# Altium PCB MainBoard.PcbDoc (part 1 of 2) (continued)
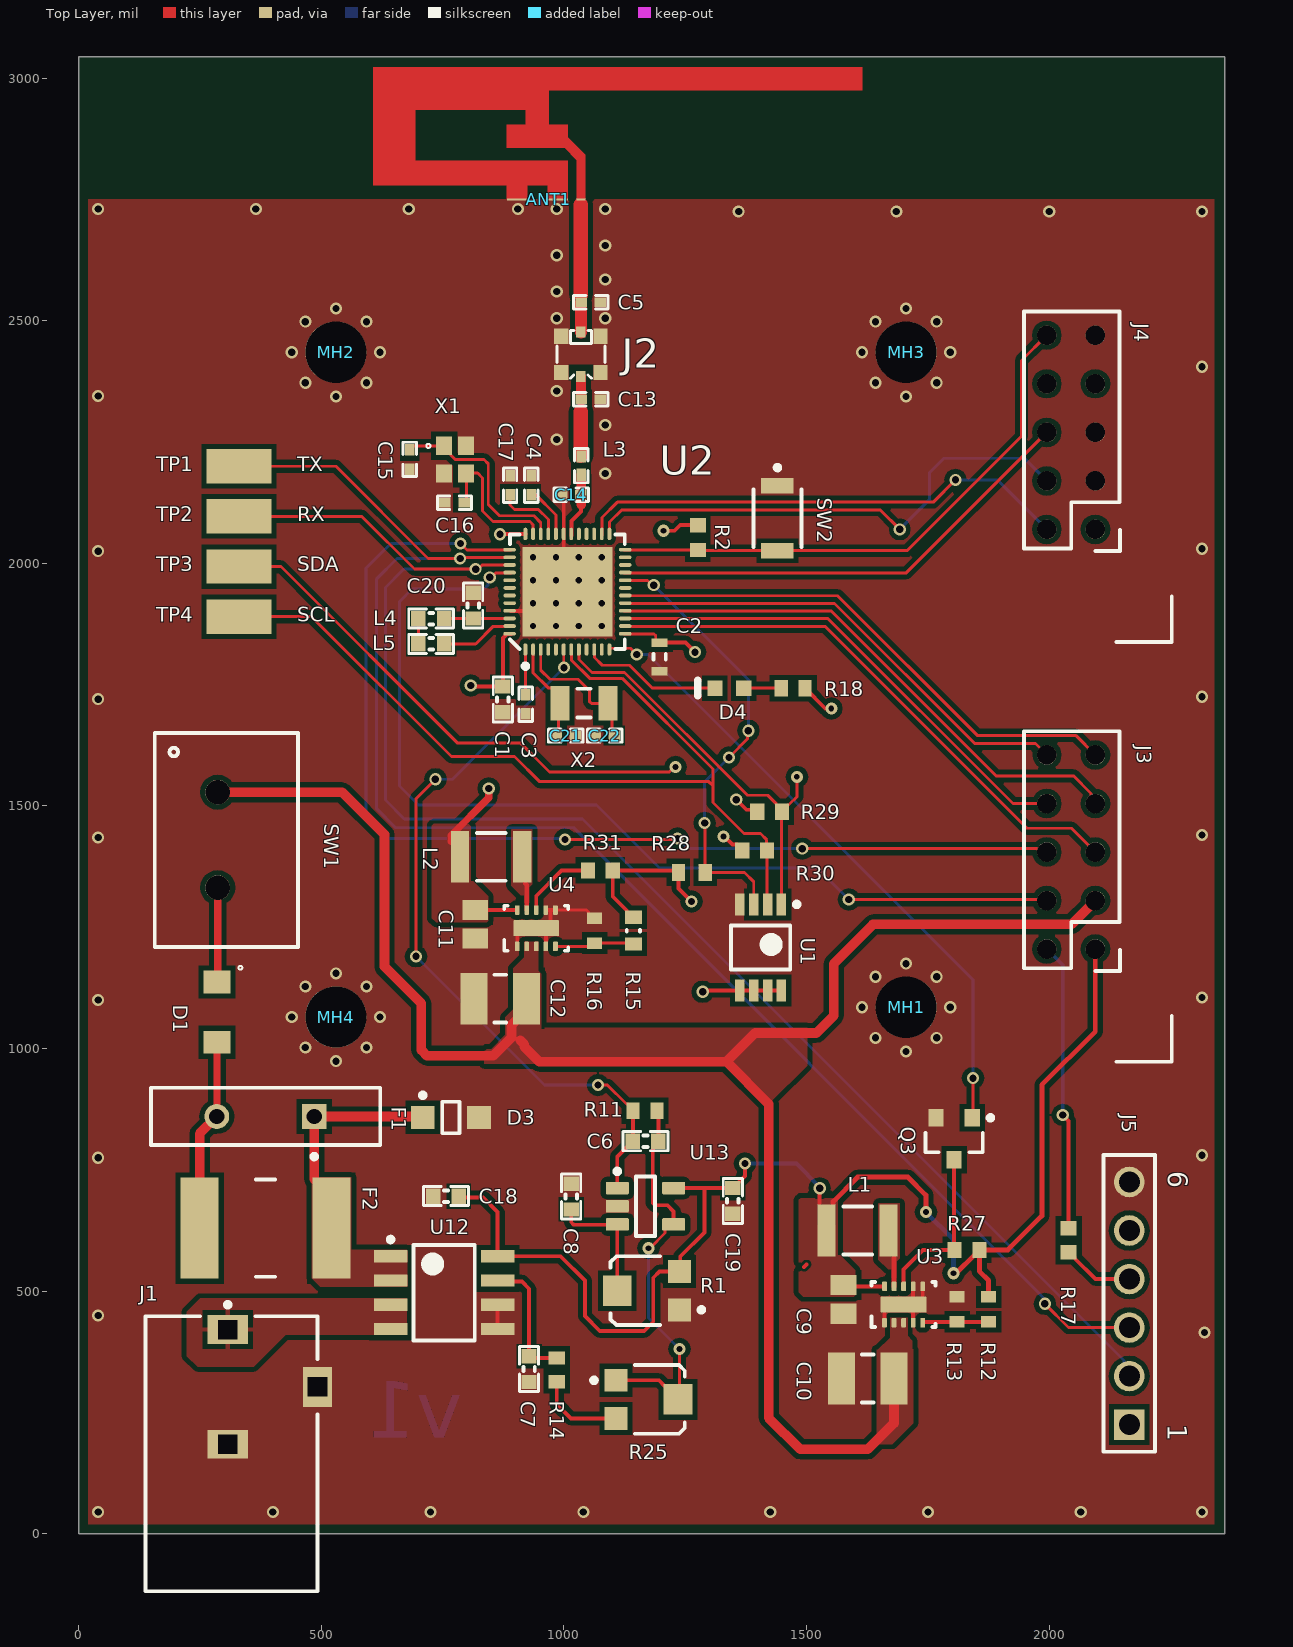
[diagram p0: Top Layer view]
## Design rules (kind name [scope] priority, off if disabled: settings) (continued)
PolygonConnect PolygonConnect_14 [All vs IsNamedPolygon('Top Layer-5V')] p14: thpad.connectstyle=Direct thpad.reliefconductorwidth=10 thpad.reliefentries=4 thpad.polygonreliefangle="90 Angle" thpad.airgapwidth=10 smdpad.connectstyle=Direct smdpad.reliefconductorwidth=10 smdpad.reliefentries=4 smdpad.polygonreliefangle="90 Angle" smdpad.airgapwidth=10 via.connectstyle=Relief via.reliefconductorwidth=10 via.reliefentries=4 via.polygonreliefangle="90 Angle" via.airgapwidth=10
PolygonConnect PolygonConnect_13 [All vs IsNamedPolygon('Top Layer-5V')] p15: thpad.connectstyle=Direct thpad.reliefconductorwidth=10 thpad.reliefentries=4 thpad.polygonreliefangle="90 Angle" thpad.airgapwidth=10 smdpad.connectstyle=Direct smdpad.reliefconductorwidth=10 smdpad.reliefentries=4 smdpad.polygonreliefangle="90 Angle" smdpad.airgapwidth=10 via.connectstyle=Relief via.reliefconductorwidth=10 via.reliefentries=4 via.polygonreliefangle="90 Angle" via.airgapwidth=10
PolygonConnect PolygonConnect_12 [All vs IsNamedPolygon('IND_5V')] p16: thpad.connectstyle=Direct thpad.reliefconductorwidth=10 thpad.reliefentries=4 thpad.polygonreliefangle="90 Angle" thpad.airgapwidth=10 smdpad.connectstyle=Direct smdpad.reliefconductorwidth=10 smdpad.reliefentries=4 smdpad.polygonreliefangle="90 Angle" smdpad.airgapwidth=10 via.connectstyle=Relief via.reliefconductorwidth=10 via.reliefentries=4 via.polygonreliefangle="90 Angle" via.airgapwidth=10
PolygonConnect PolygonConnect_11 [All vs IsNamedPolygon('IND_3v3')] p17: thpad.connectstyle=Direct thpad.reliefconductorwidth=10 thpad.reliefentries=4 thpad.polygonreliefangle="90 Angle" thpad.airgapwidth=10 smdpad.connectstyle=Direct smdpad.reliefconductorwidth=10 smdpad.reliefentries=4 smdpad.polygonreliefangle="90 Angle" smdpad.airgapwidth=10 via.connectstyle=Relief via.reliefconductorwidth=10 via.reliefentries=4 via.polygonreliefangle="90 Angle" via.airgapwidth=10
PolygonConnect PolygonConnect_10 [All vs IsNamedPolygon('IP-')] p18: thpad.connectstyle=Relief thpad.reliefconductorwidth=10 thpad.reliefentries=4 thpad.polygonreliefangle="90 Angle" thpad.airgapwidth=10 smdpad.connectstyle=Direct smdpad.reliefconductorwidth=10 smdpad.reliefentries=4 smdpad.polygonreliefangle="90 Angle" smdpad.airgapwidth=10 via.connectstyle=Relief via.reliefconductorwidth=10 via.reliefentries=4 via.polygonreliefangle="90 Angle" via.airgapwidth=10
PolygonConnect PolygonConnect_9 [All vs IsNamedPolygon('IP+')] p19: thpad.connectstyle=Direct thpad.reliefconductorwidth=10 thpad.reliefentries=4 thpad.polygonreliefangle="90 Angle" thpad.airgapwidth=10 smdpad.connectstyle=Direct smdpad.reliefconductorwidth=10 smdpad.reliefentries=4 smdpad.polygonreliefangle="90 Angle" smdpad.airgapwidth=10 via.connectstyle=Relief via.reliefconductorwidth=10 via.reliefentries=4 via.polygonreliefangle="90 Angle" via.airgapwidth=10
PolygonConnect PolygonConnect_8 [All vs IsNamedPolygon('Top Layer-VIN 2')] p20: thpad.connectstyle=Direct thpad.reliefconductorwidth=10 thpad.reliefentries=4 thpad.polygonreliefangle="90 Angle" thpad.airgapwidth=10 smdpad.connectstyle=Direct smdpad.reliefconductorwidth=10 smdpad.reliefentries=4 smdpad.polygonreliefangle="90 Angle" smdpad.airgapwidth=10 via.connectstyle=Relief via.reliefconductorwidth=10 via.reliefentries=4 via.polygonreliefangle="90 Angle" via.airgapwidth=10
PolygonConnect PolygonConnect_7 [All vs IsNamedPolygon('Top Layer-VIN 1')] p21: thpad.connectstyle=Direct thpad.reliefconductorwidth=10 thpad.reliefentries=4 thpad.polygonreliefangle="90 Angle" thpad.airgapwidth=10 smdpad.connectstyle=Direct smdpad.reliefconductorwidth=10 smdpad.reliefentries=4 smdpad.polygonreliefangle="90 Angle" smdpad.airgapwidth=10 via.connectstyle=Relief via.reliefconductorwidth=10 via.reliefentries=4 via.polygonreliefangle="90 Angle" via.airgapwidth=10
PolygonConnect PolygonConnect_6 [All vs IsNamedPolygon('IND_5V')] p22: thpad.connectstyle=Direct thpad.reliefconductorwidth=10 thpad.reliefentries=4 thpad.polygonreliefangle="90 Angle" thpad.airgapwidth=10 smdpad.connectstyle=Direct smdpad.reliefconductorwidth=10 smdpad.reliefentries=4 smdpad.polygonreliefangle="90 Angle" smdpad.airgapwidth=10 via.connectstyle=Relief via.reliefconductorwidth=10 via.reliefentries=4 via.polygonreliefangle="90 Angle" via.airgapwidth=10
PolygonConnect PolygonConnect_5 [All vs IsNamedPolygon('IND_5V')] p23: thpad.connectstyle=Direct thpad.reliefconductorwidth=10 thpad.reliefentries=4 thpad.polygonreliefangle="90 Angle" thpad.airgapwidth=10 smdpad.connectstyle=Direct smdpad.reliefconductorwidth=10 smdpad.reliefentries=4 smdpad.polygonreliefangle="90 Angle" smdpad.airgapwidth=10 via.connectstyle=Relief via.reliefconductorwidth=10 via.reliefentries=4 via.polygonreliefangle="90 Angle" via.airgapwidth=10
PolygonConnect PolygonConnect_4 [All vs IsNamedPolygon('Top Layer-3V3')] p24: thpad.connectstyle=Direct thpad.reliefconductorwidth=10 thpad.reliefentries=4 thpad.polygonreliefangle="90 Angle" thpad.airgapwidth=10 smdpad.connectstyle=Direct smdpad.reliefconductorwidth=10 smdpad.reliefentries=4 smdpad.polygonreliefangle="90 Angle" smdpad.airgapwidth=10 via.connectstyle=Relief via.reliefconductorwidth=10 via.reliefentries=4 via.polygonreliefangle="90 Angle" via.airgapwidth=10
PolygonConnect PolygonConnect_3 [All vs IsNamedPolygon('Top Layer-3V3')] p25: thpad.connectstyle=Direct thpad.reliefconductorwidth=10 thpad.reliefentries=4 thpad.polygonreliefangle="90 Angle" thpad.airgapwidth=10 smdpad.connectstyle=Direct smdpad.reliefconductorwidth=10 smdpad.reliefentries=4 smdpad.polygonreliefangle="90 Angle" smdpad.airgapwidth=10 via.connectstyle=Relief via.reliefconductorwidth=10 via.reliefentries=4 via.polygonreliefangle="90 Angle" via.airgapwidth=10
PolygonConnect PolygonConnect_2 [All vs IsNamedPolygon('Top Layer-VIN')] p26: thpad.connectstyle=Direct thpad.reliefconductorwidth=10 thpad.reliefentries=4 thpad.polygonreliefangle="90 Angle" thpad.airgapwidth=10 smdpad.connectstyle=Direct smdpad.reliefconductorwidth=10 smdpad.reliefentries=4 smdpad.polygonreliefangle="90 Angle" smdpad.airgapwidth=10 via.connectstyle=Relief via.reliefconductorwidth=10 via.reliefentries=4 via.polygonreliefangle="90 Angle" via.airgapwidth=10
PolygonConnect PolygonConnect_1 [All vs IsNamedPolygon('Top Layer-VIN')] p27: thpad.connectstyle=Direct thpad.reliefconductorwidth=10 thpad.reliefentries=4 thpad.polygonreliefangle="90 Angle" thpad.airgapwidth=10 smdpad.connectstyle=Direct smdpad.reliefconductorwidth=10 smdpad.reliefentries=4 smdpad.polygonreliefangle="90 Angle" smdpad.airgapwidth=10 via.connectstyle=Relief via.reliefconductorwidth=10 via.reliefentries=4 via.polygonreliefangle="90 Angle" via.airgapwidth=10
PolygonConnect [All] p28: connectstyle=Relief reliefconductorwidth=10 reliefentries=4 polygonreliefangle="90 Angle" airgapwidth=10
RoutingVias [All] p1: holewidth=11.81 width=25 viastyle="Through Hole" minholewidth=11.81 minwidth=17.72 maxholewidth=28 maxwidth=50
ShortCircuit ShortCircuit_Antenna [InComponent('ANT1') or InNet('ANT') vs InNet('GND')] p1: allowed=TRUE
ShortCircuit [All] p2: allowed=FALSE
SilkToSolderMaskClearance [IsPad] p1: minsilkscreentomaskgap=0 clearancetoexposedcopper=TRUE
SolderMaskExpansion [All] p1: expansion=4
Width [All] p1: maxlimit=50 minlimit=6 preferedwidth=8 minimp=50.000000 maximp=50.000000 favimp=50.000000
25 further rules are at their usual default settings.

## Classes and differential pairs
component class MCU: ANT1 C1 C2 C3 C4 C5 C13 C14 C15 C16 C17 C20 C21 C22 D4 J2 J3 J4 J5 L3 L4 L5 R2 R17 R18 R28 R29 R30 SW2 TP2 TP3 TP4 U1 U2 X1 X2

## Components (designator, comment, footprint, x,y, rotation, side; value= is the part's Value field where it differs from the comment)
ANT1 "Inverted F Antenna" PIFA 598,2775 r0 top
C1 "4.7µF" CAPC1608X06L 874,1719.43 r90 top
C2 "100nF" CAPC1608X90X20LL10 1197,1807 r90 top
C3 "0.1uF" CAPC1005X04L 921,1709.32 r270 top
C4 "100pF" CAPC1005X04L 932.35,2161.04 r90 top
C5 "1.2pF" CAPC1005X04L 1055.14,2537.96 r180 top
C6 "100pF" CAPC1608X06L 1168,809 r180 top
C7 "1nF" CAPC1608X06L 928.15,339.57 r90 top
C8 "0.1uF" CAPC1608X06L 1015,695 r270 top
C9 "GRM21BR61A226ME51L" CAPC2013X140X45LL15T25 1576,483 r90 top
C10 "CAP 2.2uF 50V 1210(3225)" CAPC1210(3225)220_N 1625.87,320 r0 top value=2.2uF
C11 "GRM21BR61A226ME51L" CAPC2013X140X45LL15T25 817,1256 r90 top
C12 "CAP 2.2uF 50V 1210(3225)" CAPC1210(3225)220_N 868.87,1103 r0 top value=2.2uF
C13 "10pF" CAPC1005X04L 1055,2338 r180 top
C14 "0.8pF" CAPC1005X04L 1014.96,2141.24 r0 top
C15 "10pF" CAPC1005X04L 682,2214 r270 top
C16 "10pF" CAPC1005X04L 774.39,2125 r180 top
C17 "100pF" CAPC1005X04L 889,2161 r90 top
C18 "0.1uF" CAPC1608X06L 756.89,695.87 r0 top
C19 "0.1uF" CAPC1608X06L 1348,686 r90 top
C20 "1uF" CAPC1608X06L 813,1913 r90 top
C21 "10pF" CAPC1005X04L 1003.86,1645 r180 top
C22 "10pF" CAPC1005X04L 1083.86,1645 r0 top
D1 "1N5819HW-7-F" SOD123 285,1075 r270 top
D3 "TVS 23.2V @ 17.2A (10/1000)" ONSC-SOD-123FL-2-498_V 767,858 r0 top
D4 "LTST-C191KGKT" LITE-ON-LTST-C191KRKT-2_V 1340.69,1742.69 r180 top
F1 "60V 1.1A" BOUR-MF-R185 385,860 r180 top
F2 "60V 1.1A" "PTC 2920" 385,630 r180 top
J1 "PJ-102A" CUI-PJ-102A_V 315,165 r180 top
J2 "MM8130-2600RB8" COAXIAL-SWF 1035,2430.61 r180 top
J3 "302-S101" "10pin Header TH" 2095,1205 r90 top
J4 "10pin dual row 2.54\" Shrouded" "10pin Header TH" 2095,2070 r90 top
J5 "61300611121" 61300611121 2165,475 r90 top
L1 "CBC3225T100MR" MURA-1210_H_2.7_N 1605,625 r180 top
L2 "CBC3225T100MR" MURA-1210_H_2.7_N 850,1395 r180 top
L3 "3.9nH" INDC1005X04L 1035.35,2201.4 r90 top
L4 "15nH" INDC1608X06L 726.43,1886 r180 top
L5 "10µH" INDC1608X06L 726.43,1834 r0 top
MH1 "MH" MOUNTING 1705,1085 r0 top
MH2 "MH" MOUNTING 530,2435 r0 top
MH3 "MH" MOUNTING 1705,2435 r0 top
MH4 "MH" MOUNTING 530,1065 r0 top
Q3 "2N7002K-7" SOT95P245X110-3N 1804,814 r270 top
R1 "TC33X-2-103E" BOUR-TC33X-2_V 1167,501 r180 top
R2 "ERJ3EKF1002V" RESC1609X55X30LL15T15 1276,2053 r90 top
R11 "ERJ3EKF2202V" RESC1608X55X30LL15T15 1167,872 r180 top
R12 "RC0603FR-07787KL" RESC1608X55X25LL10T15 1875,462.44 r90 top
R13 "RC0603FR-07150KL" RESC1608X55X25LL10T15 1810,462.44 r270 top
R14 "ERJ-3GEYJ102V" RESC1608X55X30LL15T15 985.24,337.6 r270 top
R15 "464K" RESC0603(1608)_L 1143,1243 r90 top value="464000.00 Ohm"
R16 "RC0603FR-07147KL" RESC1608X55X25LL10T15 1063,1243 r270 top
R17 "CRCW06030000Z0EA" RESC1609X55X30LL10T20 2040,605 r90 top value=0R
R18 "ERJ-3GEYJ221V" RESC1608X55X30LL15T15 1472.15,1742.69 r0 top value=220R
R25 "TC33X-2-103E" BOUR-TC33X-2_V 1178,277 r0 top
R27 "ERJ3EKF1002V" RESC1609X55X30LL15T15 1830.59,585 r0 top
R28 "RC0603FR-07100KL" RESC1608X55X25NL10T15 1263.47,1363 r180 top
R29 "ERJ3EKF1002V" RESC1609X55X30LL15T15 1423.59,1488 r180 top
R30 "ERJ3EKF1002V" RESC1609X55X30LL15T15 1393,1408 r180 top
R31 "ERJ3EKF1002V" RESC1609X55X30LL15T15 1075,1367 r0 top
SW1 "M2011SA1W01" "2pin Screw Terminal" 286.5,1528.35 r270 top
SW2 "B3U-1000P" OMRON-B3U-1000_V 1440,2093 r270 top
TP1 "Testpoint" "KEYSTONE 5015" 330,2200 r180 top
TP2 "Testpoint" "KEYSTONE 5015" 330,2096.67 r180 top
TP3 "Testpoint" "KEYSTONE 5015" 330,1993.33 r180 top
TP4 "Testpoint" "KEYSTONE 5015" 330,1890 r180 top
U1 "LM75BDP" TSOP72P490X110-8N 1405.32,1208.47 r270 top
U2 "NRF52832-QFAA-R" PCBComponent_1 1011.3,1941.02 r90 top
U3 "TPS62175" ? 1700,472.4 r90 top
U4 "TPS62175" DQC0010A 943,1248 r90 top
U12 "ACS723" SOIC127P600X175-8N 753,497 r0 top
U13 "OPA344" DBV0005A_M 1168,675 r0 top
X1 "32MHz" *OSCCC200X160X50N 752.95,2242.13 r0 top
X2 "ABS07-120-32.768KHZ-T" ABRA-ABS07_A_V 1041.21,1712 r0 top

## Footprints (in the part's own frame and the unit in brackets; to place one, negate y for a bottom-side part, rotate by r counter-clockwise, add the part's x,y. Pads: shape width x height; smd on the part's side, far side on the other; paste and mask are expansions set on the pad)
"2pin Screw Terminal" [mm]
  round 1.3 hole 1.3: 1(0,0) 2(5,0)
  silkscreen extent -3.1,-3.3 8.1,4.2, body extent -2.95,-2.6 7.55,5, height 10.01
"10pin Header TH" [mm]
  round 1.02 hole 1.02: 1(0,0) 2(0,2.54) 3(2.54,0) 4(2.54,2.54) 5(5.08,0) 6(5.08,2.54) 7(7.62,0) 8(7.62,2.54) 9(10.16,0) 10(10.16,2.54)
  silkscreen extent -5.9,-4 11.4,3.74, body extent -5.06,-3.25 15.26,5.85, height 9.01
61300611121 [mm] "Pin Header, pitch 2.54 mm, THT, Vertical, single row, 6p"
  rect 1.6x1.6 hole 1.1: 1(-6.35,0)
  round 1.6 hole 1.1: 2(-3.81,0) 3(-1.27,0) 4(1.27,0) 5(3.81,0) 6(6.35,0)
  silkscreen extent -7.77,-1.35 7.77,1.35, body extent -7.62,-1.27 7.62,1.27, height 8.57
*OSCCC200X160X50N [mm]
  rect 0.85x0.95 smd: 1(0,0) 2(0,-1.45) 3(1.15,-1.45) 4(1.15,0)
  silkscreen extent -0.93,-0.11 -0.71,0.11
ABRA-ABS07_A_V [mm] "SMD, 2-Leads, Body 3.2x1.5mm"
  rect 1x1.8 smd: 1(-1.25,0) 2(1.25,0)
  silkscreen extent -0.35,-0.75 0.35,0.75, body extent -1.6,-0.75 1.6,0.75, height 0.9
BOUR-MF-R185 [mm] "THD, 2-Leads, Body 12x3mm"
  rect 1.3x1.3 hole 0.8: 1(-2.55,0)
  round 1.3 hole 0.8: 2(2.55,0)
  silkscreen extent -6,-1.5 6,2.22, body extent -6,-1.48 6,1.52, height 18.4
BOUR-TC33X-2_V [mm] "SMD, 3-Leads, Body 3.8x3.6mm"
  rect 1.2x1.2 smd: 1(-1.8,1) 3(-1.8,-1)
  rect 1.5x1.6 smd: 2(1.45,0)
  silkscreen extent -3.08,-1.8 1.8,1.8, body extent -2,-1.8 1.96,1.8, height 1.15
CAPC1005X04L [mm]
  rect 0.6x0.5 smd: 1(-0.5,0) 2(0.5,0)
  silkscreen extent -0.9,-0.35 0.9,0.35, body extent -0.51,-0.25 0.51,0.25, height 0.5
CAPC1210(3225)220_N [mm] "Chip Capacitor, Body 3.2x2.5mm, Height 2.2mm, IPC Medium Density"
  rect 1.4x2.7 smd: 1(-1.375,0) 2(1.375,0)
  silkscreen extent -0.3,-1.25 0.3,1.25, body extent -1.7,-1.35 1.7,1.35, height 2.2
CAPC1608X06L [mm]
  rect 0.75x0.8 smd: 1(-0.675,0) 2(0.675,0)
  silkscreen extent -1.17,-0.5 1.17,0.5, body extent -0.8,-0.43 0.8,0.43, height 0.8
CAPC1608X90X20LL10 [mm] "Chip Capacitor, 2-Leads, Body 1.70x0.90mm, IPC High Density"
  rect 0.45x0.85 smd: 1(-0.75,0) 2(0.75,0)
  silkscreen extent -0.15,-0.33 0.15,0.33, body extent -0.85,-0.45 0.85,0.45, height 0.9
CAPC2013X140X45LL15T25 [mm] "Chip Capacitor, 2-Leads, Body 2.00x1.25mm, IPC High Density"
  rect 1.05x1.35 smd: 1(-0.75,0) 2(0.75,0)
  body extent -1.08,-0.7 1.07,0.7, height 1.4
COAXIAL-SWF [mm]
  rect 0.5x0.58 smd: 1(0,1.16) 3(0,-1.16)
  rect 0.75x0.8 smd: 2(-1.025,0.95) 2(-1.025,-0.95) 2(1.025,0.95) 2(1.025,-0.95)
  Top Layer pour cut-out: 0.65,-0.55 -0.65,-0.55 -0.65,-1.35 0.65,-1.35
  Top Layer pour cut-out: -0.65,0.55 0.65,0.55 0.65,1.35 -0.65,1.35
  silkscreen extent -1.25,-1.25 1.25,1.25
CUI-PJ-102A_V [mm] "THD, 3-Leads, Body 14.4x9mm, Pitch 3mm"
  rect 2.1x1.5 hole 1 square: 1(0.2,-6.5) 2(0.2,-0.5)
  rect 1.5x2.1 hole 1 square: 3(-4.5,-3.5)
  silkscreen extent -4.5,-7.92 4.5,7.2, body extent -4.7,-7.2 4.7,7.2, height 11.5
DBV0005A_M [mm] "SOT23, 5-Leads, Body 3.05x1.75mm, Pitch 0.95mm, IPC Low Density"
  rrect15% 1.2x0.65 smd: 1(-1.475,0.95) 2(-1.475,0) 3(-1.475,-0.95) 4(1.475,-0.95) 5(1.475,0.95)
  silkscreen extent -1.6,-1.55 0.5,1.95, body extent -1.42,-1.46 1.42,1.46, height 1.08
DQC0010A [mm] "SON, 10-Leads, Body 2x3mm, Pitch 0.5mm, Thermal Pad 2.4x0.84mm"
  rrect40% 0.5x0.25 smd mask+0.051: 1(-0.95,1) 2(-0.95,0.5) 3(-0.95,0) 4(-0.95,-0.5) 5(-0.95,-1) 6(0.95,-1) 7(0.95,-0.5) 8(0.95,0) 9(0.95,0.5) 10(0.95,1)
  rrect12% 0.84x2.4 smd paste-0.42 mask+0.051: 1(0,0)
  silkscreen extent -1.17,-1.68 1.17,1.67, body extent -1.05,-1.55 1.05,1.55, height 0.81
INDC1005X04L [mm]
  rect 0.65x0.5 smd: 1(-0.475,0) 2(0.475,0)
  silkscreen extent -0.9,-0.35 0.9,0.35, body extent -0.5,-0.3 0.5,0.3, height 0.5
INDC1608X06L [mm]
  rect 0.75x0.8 smd: 1(-0.675,0) 2(0.675,0)
  silkscreen extent -1.17,-0.5 1.17,0.5, body extent -0.8,-0.48 0.8,0.48, height 0.8
"KEYSTONE 5015" [mm]
  rect 3.4x1.8 smd: 1(0,0)
  body extent -1.31,-0.43 1.36,0.59, height 1.52
LITE-ON-LTST-C191KRKT-2_V [mm] "Chip, 2-Leads, Body 1.6x0.8mm"
  rect 0.8x0.8 smd: 1(-0.75,0) 2(0.75,0)
  silkscreen extent 1.65,-0.4 1.65,0.4, body extent -0.8,-0.4 0.8,0.4, height 0.55
MOUNTING [mm]
  round 3.2 hole 3.2 mask+1.4: 1(0,0)
MURA-1210_H_2.7_N [mm] "Chip Capacitor, 2-Leads, Body 3.5x2.7mm, IPC Medium Density"
  rect 0.95x2.7 smd: 1(-1.625,0) 2(1.625,0)
  silkscreen extent -0.75,-1.25 0.75,1.25, body extent -1.75,-1.35 1.75,1.35, height 2.7
OMRON-B3U-1000_V [mm] "SMD, 2-Leads, Body 3x2.5mm"
  rect 0.8x1.7 smd: 1(-1.7,0) 2(1.7,0)
  silkscreen extent -2.77,-1.25 1.5,1.25, body extent -1.5,-1.25 1.5,1.25, height 1.75
ONSC-SOD-123FL-2-498_V [mm] "SOD, 2-Leads, Body 2.7x1.65mm"
  rect 1.25x1.22 smd: 1(-1.475,0) 2(1.475,0)
  silkscreen extent -1.6,-0.82 0.45,1.28, body extent -1.35,-0.82 1.35,0.82, height 0.98
PCBComponent_1 [mm]
  oval 0.65x0.2 smd: 1(-3.013,2.306) 2(-3.013,1.906) 3(-3.013,1.506) 4(-3.013,1.106) 5(-3.013,0.706) 6(-3.013,0.306) 7(-3.013,-0.094) 8(-3.013,-0.494) 9(-3.013,-0.894) 10(-3.013,-1.294) 11(-3.013,-1.694) 12(-3.013,-2.094) 25(3.037,-2.094) 26(3.037,-1.694) 27(3.037,-1.294) 28(3.037,-0.894) 29(3.037,-0.494) 30(3.037,-0.094) 31(3.037,0.306) 32(3.037,0.706) 33(3.037,1.106) 34(3.037,1.506) 35(3.037,1.906) 36(3.037,2.306)
  oval 0.2x0.65 smd: 13(-2.188,-2.919) 14(-1.788,-2.919) 15(-1.388,-2.919) 16(-0.988,-2.919) 17(-0.588,-2.919) 18(-0.188,-2.919) 19(0.212,-2.919) 20(0.612,-2.919) 21(1.012,-2.919) 22(1.412,-2.919) 23(1.812,-2.919) 24(2.212,-2.919) 37(2.212,3.131) 38(1.812,3.131) 39(1.412,3.131) 40(1.012,3.131) 41(0.612,3.131) 42(0.212,3.131) 43(-0.188,3.131) 44(-0.588,3.131) 45(-0.988,3.131) 46(-1.388,3.131) 47(-1.788,3.131) 48(-2.188,3.131)
  rect 4.7x4.7 smd: 49(0.012,0.106)
  silkscreen extent -4.01,-2.89 3.01,3.11, body extent -3.01,-2.91 3.03,3.13, height 0.86
PIFA [mm]
  rect 0.46x0.1 smd paste-0.254: 1(11.1,-0.635)
  rect 1.06x0.1 smd paste-0.254: 2(9.885,-0.635)
  rect 1.06x0.1 smd paste-0.254 mask+0.102: 3(7.755,-0.635)
  Top Layer region: 10.42,-0.635 10.42,1.395 2.42,1.395 2.42,4.065 8.22,4.065 8.22,3.265 7.22,3.265 7.22,2.055 10.24,2.055 10.87,1.425 10.87,-0.635 11.33,-0.635 11.33,1.695 10.42,2.605 10.42,3.265 9.42,3.265 9.42,5.065 25.82,5.065 25.82,6.275 0.24,6.275 0.24,0.105 7.22,0.105 7.22,-0.635 8.29,-0.635 8.29,0.105 9.35,0.105 9.35,-0.635
"PTC 2920" [mm]
  rect 2x5.3 smd: 1(-3.45,0) 2(3.45,0)
  silkscreen extent -0.5,-2.55 0.5,2.55, body extent -3.68,-2.56 3.68,2.56, height 0.91
RESC0603(1608)_L [mm] "Chip Resistor, Body 1.6x0.8mm, IPC High Density"
  rect 0.7x0.9 smd: 1(-0.7,0) 2(0.7,0)
  silkscreen extent -0.05,-0.35 0.05,0.35, body extent -0.85,-0.47 0.85,0.47, height 0.6
RESC1608X55X25LL10T15 [mm] "Chip Resistor, 2-Leads, Body 1.60x0.80mm, IPC High Density"
  rect 0.6x0.8 smd: 1(-0.65,0) 2(0.65,0)
  body extent -0.85,-0.45 0.85,0.45, height 0.55
RESC1608X55X25NL10T15 [mm] "Chip Resistor, 2-Leads, Body 1.70x0.90mm, IPC Medium Density"
  rect 0.7x0.9 smd: 1(-0.7,0) 2(0.7,0)
  body extent -0.85,-0.45 0.85,0.45, height 0.55
RESC1608X55X30LL15T15 [mm] "Chip Resistor, 2-Leads, Body 1.60x0.80mm, IPC High Density"
  rect 0.7x0.85 smd: 1(-0.625,0) 2(0.625,0)
  body extent -0.87,-0.48 0.87,0.48, height 0.55
RESC1609X55X30LL10T20 [mm] "Chip Resistor, 2-Leads, Body 1.60x0.85mm, IPC High Density"
  rect 0.75x0.85 smd: 1(-0.625,0) 2(0.625,0)
  body extent -0.85,-0.48 0.85,0.48, height 0.55
RESC1609X55X30LL15T15 [mm] "Chip Resistor, 2-Leads, Body 1.75x0.95mm, IPC High Density"
  rect 0.75x0.85 smd: 1(-0.65,0) 2(0.65,0)
  body extent -0.87,-0.48 0.87,0.48, height 0.55
SOD123 [mm]
  rect 1.2x1.4 smd: 1(-1.575,0) 2(1.575,0)
  silkscreen extent -2.42,1.13 -2.23,1.32, body extent -1.85,-0.85 1.85,0.85, height 1.05
SOIC127P600X175-8N [mm] "SOIC, 8-Leads, Body 4.90x3.90mm, Pitch 1.27mm, IPC Medium Density"
  rect 1.75x0.65 smd: 1(-2.8,1.905) 2(-2.8,0.635) 3(-2.8,-0.635) 4(-2.8,-1.905) 5(2.8,-1.905) 6(2.8,-0.635) 7(2.8,0.635) 8(2.8,1.905)
  silkscreen extent -2.92,-2.5 1.6,2.9, body extent -3,-2.5 3,2.5, height 1.75
SOT95P245X110-3N [mm] "SOT23, 3-Leads, Body 2.90x2.45mm, Pitch 0.95mm, IPC Medium Density"
  rect 0.9x0.8 smd: 1(-1.1,0.95) 2(-1.1,-0.95) 3(1.1,0)
  silkscreen extent -1.22,-1.5 0.7,2.03, body extent -1.3,-1.5 1.3,1.5, height 1.1
TSOP72P490X110-8N [mm] "TSOP, 8-Leads, Body 3.00x3.00mm, Pitch 0.73mm, IPC Medium Density"
  rect 1.15x0.5 smd mask+0.051: 1(-2.25,1.088) 2(-2.25,0.363) 3(-2.25,-0.362) 4(-2.25,-1.087) 5(2.25,-1.087) 6(2.25,-0.362) 7(2.25,0.363) 8(2.25,1.088)
  silkscreen extent -2.37,-1.55 1.15,2.01, body extent -2.45,-1.55 2.45,1.55, height 1.1
? [mm] "SON, 10-Leads, Body 2x3mm, Pitch 0.5mm, Thermal Pad 2.4x0.84mm"
  rrect40% 0.5x0.25 smd mask+0.051: 1(-0.95,1) 2(-0.95,0.5) 3(-0.95,0) 4(-0.95,-0.5) 5(-0.95,-1) 6(0.95,-1) 7(0.95,-0.5) 8(0.95,0) 9(0.95,0.5) 10(0.95,1)
  rrect12% 0.84x2.4 smd paste-0.42: 11(0,0)
  silkscreen extent -1.17,-1.68 1.17,1.67, body extent -1.05,-1.55 1.05,1.55, height 0.81

## Part data
C1 C6 C7 C8 C18 C19 C20: "Capacitor, X5R, ±10%", Case/Package=0603, Part Number=C0603-4µ7, Artikkelnr Noca=20069060, Artikkelnr Simpro=N.A., Footprint Doc=0603, LatestRevisionDate=2009-11-23, Note=6.3V, Pin Count=2, Published=2009-05-08, Publisher="Nordic Semiconductor"
C2: "Capacitor, X5R, ±10%", Part Number=C0603-4µ7, Artikkelnr Noca=20069060, Artikkelnr Simpro=N.A., Footprint Doc=0603, LatestRevisionDate=2009-11-23, Note=6.3V, Pin Count=2, Published=2009-05-08, Publisher="Nordic Semiconductor"
C3 C4 C5 C13 C14 C15 C16 C17 C21 C22: "Capacitor, NP0, ±0.1pF", Case/Package=0402, Part Number=C0402-1.2p, Artikkelnr Noca=20029157, Artikkelnr Simpro=N.A., Footprint Doc=0402, LatestRevisionDate=2011-05-11, Note=50V, Pin Count=2, Published=2009-05-08, Publisher="Nordic Semiconductor"
C9 C11: library part CMP-2000-06340-1, "Chip Capacitor, 22 uF, +/- 20%, 10 V, -55 to 85 degC, 0805 (2012 Metric), RoHS, Tape and Reel", Capacitance Value=22uF, Dielectric=X5R, Manufacturer=MurataElectronics, Operating Temperature=-55to85°C, Package/Case=0805, Package Description="2-Pin Surface Mount Device, Body 2.0 x 1.25 mm", Tolerance=20%, Voltage=10Vdc, Category=CapacitorCeramicMultilayer, Construction=Flat, Datasheet URL=http://psearch.en.murata.com/capacitor/product/GRM21BR61A226ME51%23.html, Datasheet Version=05/2016, Manufacturer URL=http://www.murata.com/, Mounting=SurfaceMount, Mounting Technology=SurfaceMount, Package Reference=0805, Product Depth=1.25mm, Product Height=1.25mm, Product Length=2mm, Rad Hard=No
C10 C12: library part CMP-1038-02098-1, "CAP 2.2uF 50V ±10% 1210 (3225 Metric) Thickness 2.2mm SMD", Case-EIA=1210, Case-Metric=3225, Rated Voltage="50 V", Tolerance=±10%, Max Thickness="2.2 mm", Technology=SMT
D1: library part "Schottky Diode SOD123", Case/Package=SOD123, Part Number=1N5819HW-7-F
D3: library part PTVS14VS1UR,115, "TVS DIODE 14V 23.2V CFP3", Case/Package=SOD-123W, Manufacturer=Nexperia, Supplier Part Number 1=1727-5320-1-ND, ComponentLink1Description=https://assets.nexperia.com/documents/data-sheet/PTVSXS1UR_SER.pdf?src-supplier=Digi-Key, ComponentLink1URL=https://assets.nexperia.com/documents/data-sheet/PTVSXS1UR_SER.pdf?src-supplier=Digi-Key, Manufacturer Part Number=PTVS14VS1UR,115, Pricing 1="1=0.38000, 10=0.30500, 100=0.20760, 500=0.15574, 1000=0.11680 (USD)", RoHS=No, Stock 1=97599, Supplier 1=Digi-Key
D4: library part CMP-2000-05198-1, "Chip LED, Green, 574 nm, 40 pF, -55 to 85 degC, 2-Pin SMD, RoHS, Tape and Reel", Emitting Color=YellowGreen, Forward Current=30mA, Forward Voltage=2.4V, Manufacturer=Lite-On, Operating Temperature Classification=Industrial, Operating Temp Range=-55Cto85C, Package Type=ChipLed, Power Dissipation=75W, Reverse Voltage=5V, Test Current (It)=20mA, Chip Material=AlGaInP, Datasheet URL=http://download.siliconexpert.com/pdfs/2007/08/26/semi_b/manual/lot/ds/ltst-c191kgkt.pdf, Datasheet Version=Jan-07, DELETED=Compliant, Dominant Wave Length=571nm, High Brightness=Yes, Lens Dimensions=1.1X0.8X0.37mm, Luminous Intensity=35mcd, Lum Intensity=35mcd, Main Category=ChipLED, Manufacturer URL=http://www.us.liteon.com/, Mounting=SurfaceMount, Number of Elements=1, Packaging=TapeandReel, Peak Wavelength=574nm, Pin Count=2, Product Depth (mm)=0.8mm, Product Height (mm)=0.55mm, Product Length (mm)=1.6mm, Rad Hardened=No, Shape Type=Rectangular, Type=Uni-Color, Viewing Angle=130deg
F1 F2: library part 2920L110/60MR, "PTC RESET FUSE 60V 1.1A 2920", Case/Package=2920, Manufacturer=Littelfuse, Supplier Part Number 1=F8134CT-ND, ComponentLink1Description=http://www.farnell.com/datasheets/2282560.pdf?src-supplier=Farnell, ComponentLink1URL=http://www.farnell.com/datasheets/2282560.pdf?src-supplier=Farnell, ComponentLink2Description=http://www.farnell.com/datasheets/2372010.pdf?src-supplier=Newark, ComponentLink2URL=http://www.farnell.com/datasheets/2372010.pdf?src-supplier=Newark, ComponentLink3Description=https://www.littelfuse.com/~/media/electronics/datasheets/resettable_ptcs/littelfuse_ptc_2920l_datasheet.pdf.pdf?src-supplier=Digi-Key, ComponentLink3URL=https://www.littelfuse.com/~/media/electronics/datasheets/resettable_ptcs/littelfuse_ptc_2920l_datasheet.pdf.pdf?src-supplier=Digi-Key, ComponentLink4Description=http://www.littelfuse.com/~/media/electronics/datasheets/resettable_ptcs/littelfuse_ptc_2920l_datasheet.pdf.pdf?src-supplier=Digi-Key, ComponentLink4URL=http://www.littelfuse.com/~/media/electronics/datasheets/resettable_ptcs/littelfuse_ptc_2920l_datasheet.pdf.pdf?src-supplier=Digi-Key, Manufacturer Part Number=2920L110/60MR, Mount="Surface Mount", Pricing 1="1=0.81000, 5=0.78400, 10=0.73400, 50=0.60720, 100=0.50600, 250=0.49336, 500=0.41746 (USD)", RoHS=No, Stock 1=20202, Supplier 1=Digi-Key
J1: library part CMP-2000-06899-1, "DC Power Jack, 2.5 A, -25 to 85 degC, 3-Pin THD, RoHS", Current Rating=2.5A, Flammability Rating=UL94V-0, Insulation Resistance=50MOhms, Manufacturer=CUIInc., Operating Temperature Range=-25Cto+85C, Package Description="3-Pin Through Hole Device, Body 14.4 x 9 mm, Pitch 3 mm", Voltage Rating=24V, Brand=CUI, Connector Type=DCPowerJack, Contact Gender=Male, Contact Material=Copper, Contact Plating=Nickel, Datasheet URL=http://www.mouser.com/ds/2/670/PJ-102A-524195.pdf, Datasheet Version="Rev. 1.03, 04/2016", Factory Pack Quantity=280, Housing Material=PolybutyleneTerephthalate(PBT), Inside Contact Diameter=2mm, Manufacturer URL=http://www.cui.com/, Mounting Angle=Right, Mounting Style=ThroughHole, Mounting Technology=ThroughHole, Outside Contact Diameter=6.5mm, Package Reference=PJ-102A, Package URL=http://www.infineon.com/dgdl/Datasheet_TLE8201_Rev20.pdf?folderId=db3a304412b407950112b408e8c90004&fileId=db3a304412b407950112b409a5f20326&sId=db3a30443d67b5ca013d7cbf680d1c42, Product=Jacks, Product Category=DCPowerConnectors, RoHS=True, Termination Style=ThroughHole
J2: "Conn Coaxial RCP 0Hz to 6GHz 50Ohm Solder ST SMD Reel", Case/Package=SMD/SMT, Frequency=6GHz, Housing Color=Gold, Insulation Resistance=500MR, Manufacturer=Murata, Max Operating Temperature=85°C, Min Operating Temperature=-40°C, Package Quantity=8000, Supplier Part Number 1=490-8450-1-ND, Voltage Rating=250V, Body Material=Copper, ComponentLink1Description=https://datasheet.ciiva.com/15249/k99e-15249336.pdf?src-supplier=Arrow+Europe, ComponentLink1URL=https://datasheet.ciiva.com/15249/k99e-15249336.pdf?src-supplier=Arrow+Europe, ComponentLink2Description=https://datasheet.ciiva.com/29192/o33e-29192331.pdf?src-supplier=Digi-Key, ComponentLink2URL=https://datasheet.ciiva.com/29192/o33e-29192331.pdf?src-supplier=Digi-Key, ComponentLink3Description=https://datasheet.ciiva.com/29192/o33e-29192332.pdf?src-supplier=Digi-Key, ComponentLink3URL=https://datasheet.ciiva.com/29192/o33e-29192332.pdf?src-supplier=Digi-Key, ComponentLink4Description=https://datasheet.ciiva.com/9426/k70e-9426237.pdf?src-supplier=Avnet, ComponentLink4URL=https://datasheet.ciiva.com/9426/k70e-9426237.pdf?src-supplier=Avnet, ComponentLink5Description=https://datasheet.ciiva.com/29192/o33e-29192334.pdf?src-supplier=Digi-Key, ComponentLink5URL=https://datasheet.ciiva.com/29192/o33e-29192334.pdf?src-supplier=Digi-Key, Connector Type=Socket, Contact Plating=Gold, Fastening Type=Push,Pull, Impedance=50R, Manufacturer Part Number=MM8130-2600RB8, Max Frequency=6GHz, Mount="Surface Mount", Orientation=Vertical, Packaging="Tape and Reel", Pricing 1="1=0.37000, 10=0.34600, 25=0.29640, 50=0.25180, 100=0.24200, 250=0.21732, 500=0.20744, 1000=0.17287, 2500=0.15805 (USD)", Radiation Hardening=No, RoHS=Yes, Stock 1=18897, Supplier 1=Digi-Key, Termination=Solder